# Altium PCB mainboard.PcbDoc (part 2 of 2)
Units mil, origin at the board's own origin, x right, y up, seen from the top; angles counter-clockwise.
Board outline 4724.41 x 2362.21 mil, 2 copper layers (Top Layer, Bottom Layer); 92 components, 82 nets, 574 pads, 267 vias.
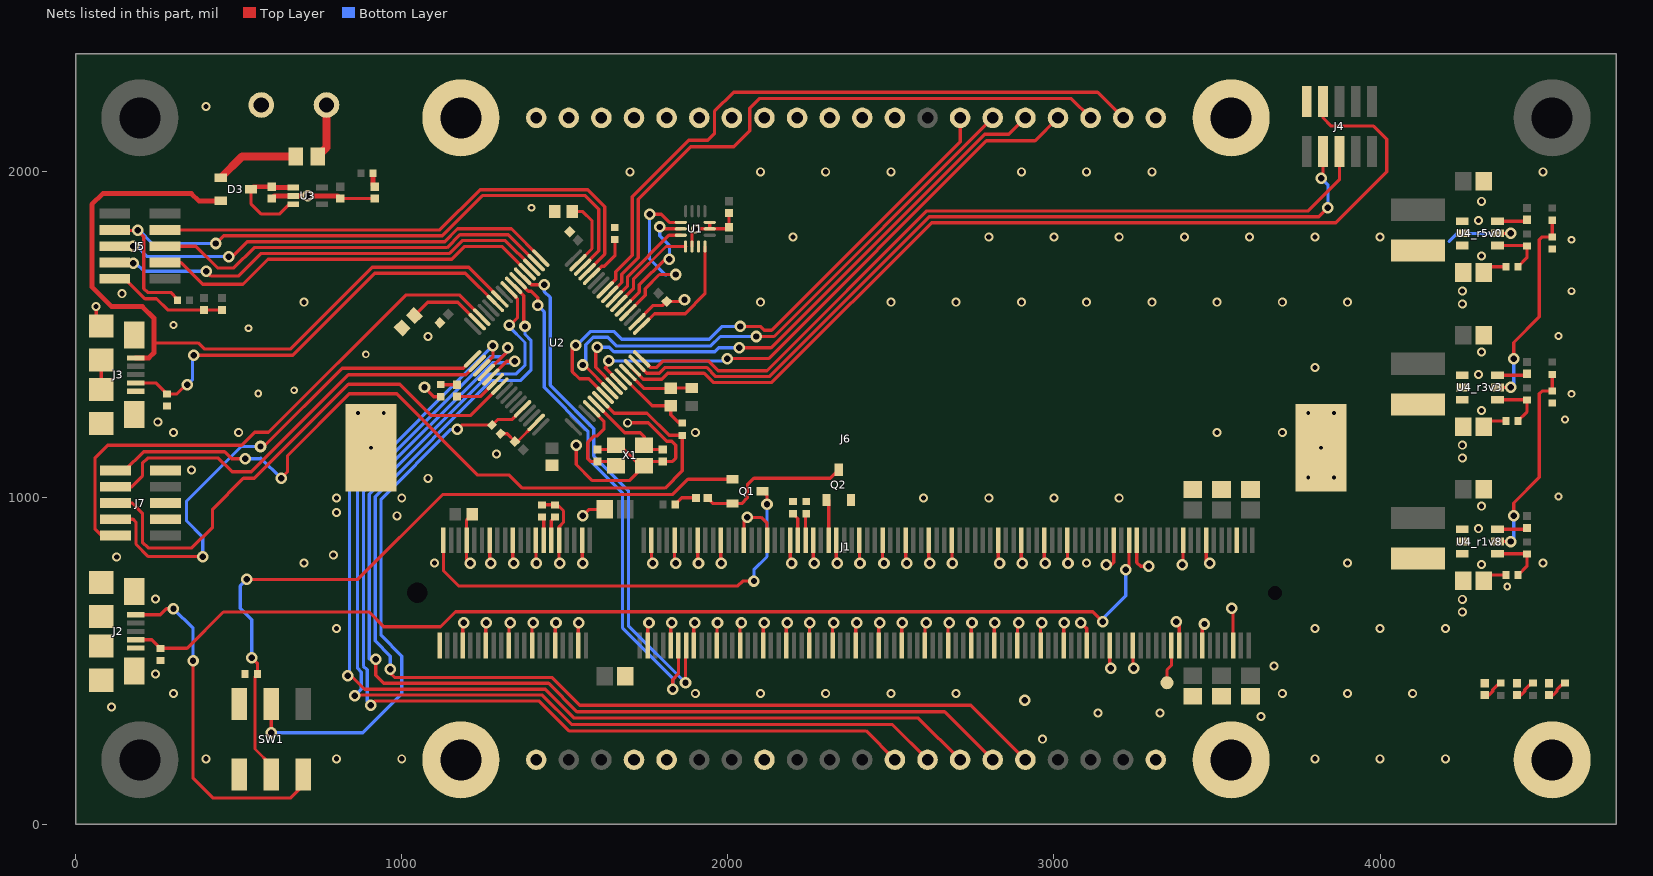
[diagram p2: the nets of this part, all layers, seen from the top]

## Via types
v1: diameter 35.43, hole 19.68, Top Layer to Bottom Layer, 147 vias
v2: diameter 27.56, hole 15.75, Top Layer to Bottom Layer, tented both sides, 63 vias
v3: diameter 27.56, hole 15.75, Top Layer to Bottom Layer, 35 vias
v4: diameter 23.62, hole 11.81, Top Layer to Bottom Layer, 21 vias
v5: diameter 27.56, hole 15.75, Top Layer to Bottom Layer, tented top, 1 vias

## Nets (pads, with @x,y where several pads share a name; then routed paths per layer and width w, separated by ;. In a path a pad name is that pad's centre, name@x,y a point inside that pad or via, vN(x,y) a via of type N, cw(c..) or ccw(c..) an arc to the next point about the centre after c; other vN are vias at no path point) (continued)
GND: C1.2 C2.2 C3.2 C4.2 C5.2 C6.2 C7.1 C8.1 C9.1 C10.1 C11.2 C12.1 C13.2 C14.1 C15.1 C16.1 C17.1 C18.1 C19.1 C20.1 C21.1 C22.1 C23.1 C25_r1v8.1 C25_r3v3.1 C25_r5v0.1 C26_r1v8.1 C26_r3v3.1 C26_r5v0.1 C27.1 C28.1 D4.2 D5.2 D6.2 D7.2 J1.1 J1.7 J1.8 J1.13 J1.14 J1.19 J1.20 J1.25 J1.26 J1.31 J1.32 J1.37 J1.38 J1.43 J1.44 J1.49 J1.50 J1.55 J1.56 J1.61 J1.62 J1.67 J1.68 J1.73 J1.74 J1.79 J1.80 J1.85 J1.86 J1.91 J1.92 J1.97 J1.98 J1.103 J1.104 J1.109 J1.110 J1.115 J1.116 J1.121 J1.122 J1.127 J1.133 J1.134 J1.139 J1.140 J1.145 J1.146 J1.151 J1.152 J1.157 J1.163 J1.164 J1.169 J1.170 J1.181 J1.182 J1.187 J1.188 J1.195 J1.196 J1.SHIELD J2.5 J2.SHIELD J3.5 J3.SHIELD J4.2 J5.2 J6.1 J6.4 J6.5 J6.8 J6.20 J6.21 J6.24 J6.25 J6.28 J6.29 J6.32 J6.40 J6.MH1 J6.MH2 J6.MH3 J6.MH4 J7.3 J7.5 J7.9 J8.2 pad.3 Q2.S R1.1 R2.1 R3.1 R4.1 R5.1 R7.2 R8.1 R10.1 R11.2 R12.1 R13.1 R18.1 R22.1 R24_r1v8.1 R24_r3v3.1 R24_r5v0.1 SW1.NC1 SW1.NC2 U1.2 U1.3 U1.6 U1.7 U2.12 U2.18 U2.63 U3.2 U4_r1v8.1 U4_r3v3.1 U4_r5v0.1 X1.SHIELD | length 7473.3
  Top Layer w10: v3(62.99,1586.61) 62.99,1543.31 J3.SHIELD@78.74,1527.56 ; J3.SHIELD@78.74,1332.68 J3.SHIELD@78.74,1423.23 ; J5.2@120.08,1671.65 151.18,1671.65 212.6,1610.24 248.03,1610.24 281.89,1576.38 C12.1@393.7,1576.38 C10.1@448.82,1576.38 ; C23.1@811.18,1917.95 811.24,1917.89 D5.2@917.32,1917.89 ; v1(1069.68,1338.74) 1098.39,1310.04 R11.2@1119.68,1310.04 ; J1.7@1187.01,547.24 1187.01,614.8 v1(1189.53,617.32) ; v1(1210,800) 1203.07,800 1198.82,804.25 J1.8@1198.82,870.08 1198.82,932.24 C9.1@1216.57,950 ; J1.13@1257.87,547.24 1257.87,615.67 v1(1259.53,617.32) ; J1.14@1269.69,870.08 1269.69,803.39 v1(1273.07,800) ; R12.1@1303.22,1196.78 1323.22,1196.78 C19.1@1347.19,1172.81 1354.86,1172.81 1411.25,1229.19 1411.25,1231.4 U2.63@1412.35,1231.4 ; J1.19@1328.74,547.24 1328.74,613.07 v1(1332.99,617.32) ; J1.20@1340.55,870.08 1340.55,802.52 v1(1343.07,800) ; J1.25@1399.61,547.24 1399.61,613.94 v1(1402.99,617.32) ; J1.26@1411.42,870.08 1411.42,801.65 v1(1413.07,800) ; R3.1@1430,978.7 R4.1@1470,978.7 1477.3,978.7 1496,960 1496,924.82 1482.28,911.1 J1.32@1482.28,870.08 1482.28,802.52 v1(1484.8,800) ; J1.31@1470.47,547.24 1470.47,614.8 v1(1472.99,617.32) ; v1(1535.43,1161.42) 1535.43,1102.36 1584.65,1053.15 1697.95,1053.15 X1.SHIELD@1743.31,1098.5 ; J1.37@1541.34,547.24 1541.34,615.67 v1(1542.99,617.32) ; J1.38@1553.15,870.08 1553.15,801.65 v1(1554.8,800) ; v1(1555.12,944.88) 1574.8,964.57 C5.2@1622.05,964.57 ; C28.1@1600,1148.11 1643.31,1148.11 X1.SHIELD@1656.69,1161.5 1668.5,1161.5 1731.5,1098.5 X1.SHIELD@1743.31,1098.5 ; U2.12@1679.6,1370.59 1767.71,1282.48 C17.1@1824.76,1282.48 1824.76,1254.96 R13.1@1850.39,1229.33 ; v3(1692.91,1230.32) 1756.04,1230.32 1812.43,1173.93 1828.04,1173.93 1840.55,1161.42 1840.55,1122.05 1830.39,1111.89 C27.1@1800,1111.89 1756.69,1111.89 X1.SHIELD@1743.31,1098.5 ; U2.18@1721.36,1540.41 1770.95,1590 1800.61,1590 C18.1@1812.81,1602.19 1862.19,1602.19 v1(1867,1607) ; J1.43@1753.94,547.24 1753.94,613.07 v1(1758.19,617.32) ; J1.44@1765.75,870.08 1765.75,804.25 v1(1770,800) ; J1.49@1824.8,547.24 1824.8,613.94 v1(1828.19,617.32) ; J1.50@1836.61,870.08 1836.61,803.39 v1(1840,800) ; U1.2@1890.16,1770.87 1890.16,1815.16 v5(1900,1825) U1.6@1944.29,1825 ; J1.55@1895.67,547.24 1895.67,614.8 v1(1898.19,617.32) ; J1.56@1907.48,870.08 1907.48,802.52 v1(1910,800) ; U1.7@1944.29,1844.68 U1.6@1944.29,1825 ; J1.61@1966.53,547.24 1966.53,615.67 v1(1968.19,617.32) ; J1.62@1978.35,870.08 1978.35,801.65 v1(1980,800) ; C13.2@2003.54,1873.43 C11.2@2003.54,1829.65 1998.9,1825 U1.6@1944.29,1825 ; J1.67@2037.4,547.24 2037.4,613.07 v1(2041.65,617.32) ; J1.68@2049.21,870.08 2049.21,929.21 v1(2060,940) 2101.75,940 2120.08,921.67 J1.74@2120.08,870.08 ; J1.73@2108.27,547.24 2108.27,613.94 v1(2111.65,617.32) ; J1.79@2179.13,547.24 2179.13,614.8 v1(2181.65,617.32) ; J1.80@2190.94,870.08 2190.94,804.25 v1(2195.2,800) ; J1.85@2250,547.24 2250,615.67 v1(2251.65,617.32) ; J1.86@2261.81,870.08 2261.81,803.39 v1(2265.2,800) ; J1.91@2320.86,547.24 2320.86,613.07 v1(2325.12,617.32) ; J1.92@2332.68,870.08 2332.68,802.52 v1(2335.2,800) ; J1.97@2391.73,547.24 2391.73,613.94 v1(2395.12,617.32) ; J1.98@2403.54,870.08 2403.54,801.65 v1(2405.2,800) ; J1.103@2462.6,547.24 2462.6,614.8 v1(2465.12,617.32) ; J1.104@2474.41,870.08 2474.41,804.25 v1(2478.66,800) ; J1.109@2533.46,547.24 2533.46,615.67 v1(2535.12,617.32) ; J1.110@2545.27,870.08 2545.27,803.39 v1(2548.66,800) ; J1.115@2604.33,547.24 2604.33,613.07 v1(2608.58,617.32) ; J1.116@2616.14,870.08 2616.14,802.52 v1(2618.66,800) ; J1.121@2675.19,547.24 2675.19,613.94 v1(2678.58,617.32) ; J1.122@2687.01,870.08 2687.01,801.65 v1(2688.66,800) ; J1.127@2746.06,547.24 2746.06,614.8 v1(2748.58,617.32) ; J1.133@2816.93,547.24 2816.93,615.67 v1(2818.58,617.32) ; J1.134@2828.74,870.08 2828.74,804.25 v1(2832.99,800) ; J1.139@2887.79,547.24 2887.79,613.07 v1(2892.04,617.32) ; J1.140@2899.6,870.08 2899.6,803.39 v1(2902.99,800) ; J1.145@2958.66,547.24 2958.66,613.94 v1(2962.04,617.32) ; J1.146@2970.47,870.08 2970.47,802.52 v1(2972.99,800) ; J1.151@3029.52,547.24 3029.52,614.8 v1(3032.04,617.32) ; J1.152@3041.34,870.08 3041.34,801.65 v1(3042.99,800) ; v1(3081.73,617.32) 3099.06,600 3100.39,600 J1.157@3100.39,547.24 ; v1(3160.28,795) 3175.55,795 3183.07,802.52 J1.164@3183.07,870.08 ; J1.163@3171.26,547.24 3171.26,480.55 v1(3174.64,477.17) ; J1.169@3242.12,547.24 3242.12,479.69 v1(3244.64,477.17) ; J1.170@3253.93,870.08 3253.93,801.65 3265.59,790 v1(3290,790) ; v1(3375,620) 3378.66,620 3383.85,614.8 J1.181@3383.85,547.24 ; v1(3393.19,795) 3395.67,797.48 J1.182@3395.67,870.08 ; J1.187@3454.72,547.24 3454.72,615.67 3457.11,613.28 v1(3461.37,613.28) ; J1.188@3466.53,870.08 3466.53,801.65 3469.88,805 3474.88,800 v1(3478.19,800) ; v1(3545,661.58) 3549.21,665.79 J1.195@3549.21,547.24 ; C25_r1v8.1@4317.6,746.14 4334.9,763.44 R24_r1v8.1@4385.4,763.44 ; C25_r3v3.1@4317.6,1218.58 4334.9,1235.88 R24_r3v3.1@4385.4,1235.88 ; C25_r5v0.1@4317.6,1691.02 4334.9,1708.32 R24_r5v0.1@4385.4,1708.32
  Top Layer w15: C22.1@601.18,1917.95 609.29,1926.06 U3.2@666.89,1926.06 v1(711.18,1926.06) 803.07,1926.06 C23.1@811.18,1917.95
  other v1: 2910,380
  other v2: 400,200 800,200 1000,200 3800,200 4000,200 4200,200 300,400 1900,400 2100,400 2300,400 2500,400 2700,400 3700,400 3900,400 4100,400 800,600 3800,600 4000,600 4200,600 700,800 1100,800 3100,800 3900,800 4500,800 800,1000 1000,1000 2600,1000 2800,1000 3000,1000 3200,1000 300,1200 500,1200 1900,1200 3500,1200 3700,1200 3800,1400 700,1600 2100,1600 2500,1600 2700,1600 2900,1600 3100,1600 3300,1600 3500,1600 3700,1600 3900,1600 2200,1800 2800,1800 3000,1800 3200,1800 3400,1800 3600,1800 3800,1800 4000,1800 1700,2000 2100,2000 2300,2000 2500,2000 2900,2000 3100,2000 3300,2000 4500,2000 400,2200
  other v3: 2965,260 3635,330 3135,340 3325,340 110.24,358.27 245,460 3675,485 245,690 4311.02,795.28 125.98,818.9 790,825 4301.18,905.51 985,945 800,955 4311.02,974.41 1080,1060 355,1085 1290,1135 251.97,1232.28 4311.02,1267.72 4301.18,1377.95 4311.02,1446.85 1080,1495 141.73,1625.98 4311.02,1742.13 4301.18,1850.39 4311.02,1909.45
  other v4: 4389.76,728.35 4547.24,1003.94 3779.53,1062.99 3858.27,1062.99 905.51,1153.54 3818.9,1153.54 4566.93,1240.16 866.14,1259.84 944.88,1259.84 3779.53,1259.84 3858.27,1259.84 4586.61,1318.9 560,1320 670,1330 890,1440 4547.24,1496.06 530,1520 300,1530 4586.61,1633.86 4586.61,1791.34 1397.64,1889.76
IMU_INT: U1.4 U2.17 | length 380.6
  Top Layer w10: U2.17@1735.28,1526.49 1736.49,1526.49 1775,1565 1869,1565 1929.53,1625.53 U1.4@1929.53,1770.87
IMU_MISO: U1.1 U2.22 | length 294.9
  Top Layer w10: U2.22@1665.68,1596.09 1710.38,1640.78 1710.38,1671.01 1810.24,1770.87 U1.1@1870.47,1770.87
IMU_MOSI: U1.14 U2.23 | length 301.2
  Top Layer w10: U2.23@1651.76,1610 1692.38,1650.62 1692.38,1678.46 1819.23,1805.31 U1.14@1855.71,1805.31
IMU_nCS: U1.12 U2.20 | length 551.7
  Top Layer w10: U2.20@1693.52,1568.25 1746.38,1621.1 1746.38,1641.38 1790,1685 v1(1840,1685) ; v1(1760,1870) 1795.49,1870 1820.8,1844.68 U1.12@1855.71,1844.68
  Bottom Layer w10: v1(1760,1870) 1760,1732.46 1809.39,1683.07 1811.32,1685 v1(1840,1685)
IMU_SCK: U1.13 U2.21 | length 416.7
  Top Layer w10: U2.21@1679.6,1582.17 1728.38,1630.94 1728.38,1653.38 1807.28,1732.28 v1(1820.86,1732.28) ; v1(1791.34,1830.71) 1785.71,1830.71 1780,1825 U1.13@1855.71,1825
  Bottom Layer w10: v1(1791.34,1830.71) 1791.34,1803.66 1820.86,1774.14 v1(1820.86,1732.28)
IO0: J6.34 U2.8 | length 1756.5
  Top Layer w10: v1(1533.57,1468.22) 1522.71,1457.36 1522.71,1387.29 1545,1365 1573.84,1365 U2.8@1623.92,1314.91 ; v1(2037.4,1525.59) 2099.41,1525.59 2110.94,1514.06 2134.06,1514.06 2712.2,2092.2 J6.34@2712.2,2165.35
  Bottom Layer w10: v1(1533.57,1468.22) 1537.12,1468.22 1579.32,1510.42 1650.73,1510.42 1674.93,1486.22 1943.05,1486.22 1982.42,1525.59 v1(2037.4,1525.59)
IO1: J6.35 U2.9 | length 1739.6
  Top Layer w10: v1(1555.12,1407.48) 1559.2,1407.48 U2.9@1637.84,1328.83 ; v1(2086.46,1494.87) 2141.72,1494.87 J6.35@2812.2,2165.35
  Bottom Layer w10: v1(1555.12,1407.48) 1564.28,1416.65 1564.28,1469.93 1586.78,1492.42 1631.48,1492.42 1658.07,1465.83 1948.11,1465.83 1977.16,1494.87 v1(2086.46,1494.87)
IO2: J6.36 U2.10 | length 1760.4
  Top Layer w10: v1(1599.5,1461.7) 1594.49,1456.69 1594.49,1400.03 U2.10@1651.76,1342.75 ; v1(2035,1460) 2132.31,1460 2787.31,2115 2861.85,2115 J6.36@2912.2,2165.35
  Bottom Layer w10: v1(1599.5,1461.7) 1636.74,1461.7 1650.61,1447.83 1959.64,1447.83 1971.81,1460 v1(2035,1460)
IO3: J6.37 U2.11 | length 1771.1
  Top Layer w10: v1(1635,1420) 1635,1409.32 1624.02,1398.34 U2.11@1665.68,1356.67 ; v1(1998.03,1427.17) 2124.93,1427.17 2792.76,2095 2941.85,2095 J6.37@3012.2,2165.35
  Bottom Layer w10: v1(1635,1420) 1990.87,1420 v1(1998.03,1427.17)
IO4: J6.38 U2.24 | length 1908
  Top Layer w10: U2.24@1637.84,1623.92 1674.38,1660.46 1674.38,1685.92 1725,1736.54 1725,1916.08 1885.69,2076.77 2017.72,2076.77 2066.93,2125.98 2066.93,2194.88 2096.46,2224.41 3053.15,2224.41 J6.38@3112.2,2165.35
IO5: J6.39 U2.25 | length 2031.1
  Top Layer w10: U2.25@1623.92,1637.84 1656.38,1670.3 1656.38,1693.37 1707,1744 1707,1923.54 1879.92,2096.46 1938.98,2096.46 1958.66,2116.14 1958.66,2185.04 2017.72,2244.09 3133.46,2244.09 J6.39@3212.2,2165.35
NetC14_2: C14.2 U2.47 | length 234.4
  Top Layer w10: C14.2@1038.79,1558.79 1080,1600 1171.8,1600 U2.47@1231.4,1540.41
NetC15_2: C15.2 U2.31 | length 218.6
  Top Layer w10: C15.2@1522.64,1877.95 1555.12,1877.95 1583.41,1849.66 1583.41,1764.36 U2.31@1540.41,1721.36
NetC17_2: C17.2 FB1.2 U2.13 | length 217
  Top Layer w10: U2.13@1693.52,1384.51 1742.4,1335.63 C17.2@1824.76,1335.63 1825.95,1336.81 FB1.2@1889.76,1336.81
NetC22_2: C22.2 D3.C U3.1 U3.3 | length 332.8
  Top Layer w10: D3.C@545.55,1954.17 D3.C@537.44,1946.06 537.44,1902.45 569.69,1870.2 624.46,1870.2 654.72,1900.47 U3.3@666.89,1900.47 ; C22.2@601.18,1954.17 C22.2@603.7,1951.65
  Top Layer w15: D3.C@545.55,1954.17 C22.2@601.18,1954.17 ; C22.2@603.7,1951.65 U3.1@666.89,1951.65
NetC24_r1v8_1: C24_r1v8.1 U4_r1v8.6 | length 91.7
  Top Layer w10: U4_r1v8.6@4360.24,903.54 4445.61,903.54 C24_r1v8.1@4450.1,908.03
NetC24_r3v3_1: C24_r3v3.1 U4_r3v3.6 | length 91.7
  Top Layer w10: U4_r3v3.6@4360.24,1375.98 4445.61,1375.98 C24_r3v3.1@4450.1,1380.47
NetC24_r5v0_1: C24_r5v0.1 U4_r5v0.6 | length 91.7
  Top Layer w10: U4_r5v0.6@4360.24,1848.43 4445.61,1848.43 C24_r5v0.1@4450.1,1852.91
NetC27_2: C27.2 U2.6 X1.1 | length 276.8
  Top Layer w10: U2.6@1596.09,1287.07 1683.16,1200 1731.02,1200 1743.31,1187.72 X1.1@1743.31,1161.5 1756.69,1148.11 C27.2@1800,1148.11
NetC28_2: C28.2 U2.5 X1.2 | length 291
  Top Layer w10: U2.5@1582.17,1273.15 1620,1235.32 1620,1210 1600,1190 1590,1190 1570,1170 1570,1120 1578.11,1111.89 C28.2@1600,1111.89 1643.31,1111.89 X1.2@1656.69,1098.5
NetD1_A: D1.1 R6.1 | length 71.5
  Top Layer w10: R6.1@1838.7,980 1858.7,1000 D1.1@1901.89,1000
NetD1_C: D1.2 Q1.S Q2.D | length 475.3
  Top Layer w10: D1.2@1938.11,1000 1955.51,982.6 Q1.S@2013.74,982.6 2042.28,982.6 2060,1000.32 2060,1040 2080,1060 2313.74,1060 Q2.D@2340,1086.26
NetD2_A: D2.1 U2.54 | length 136.5
  Top Layer w10: D2.1@1169.68,1310.63 1241.03,1310.63 U2.54@1287.07,1356.67
NetD2_C: D2.2 R11.1 | length 50.2
  Top Layer w10: R11.1@1119.68,1347.44 1120.28,1346.85 D2.2@1169.68,1346.85
NetD4_A: D4.1 R14.2 | length 67.4
  Top Layer w10: D4.1@4320.87,395.28 4333.27,395.28 4345.27,407.28 4345.27,412.32 4365.04,432.09 R14.2@4370.08,432.09
NetD5_A: D5.1 R15.2 | length 43.1
  Top Layer w15: R15.2@912.02,1995 912.02,1959.41 D5.1@917.32,1954.11
NetD6_A: D6.1 R16.2 | length 67.4
  Top Layer w10: D6.1@4419.29,395.28 4431.69,395.28 4443.69,407.28 4443.69,412.32 4463.46,432.09 R16.2@4468.5,432.09
NetD7_A: D7.1 R20.2 | length 67.4
  Top Layer w10: D7.1@4517.72,395.28 4530.12,395.28 4542.12,407.28 4542.12,412.32 4561.89,432.09 R20.2@4566.93,432.09
NetJ1_2: J1.2 Q1.D | length 1368.7
  Top Layer w10: J1.2@1127.95,870.08 1127.95,775.98 1173.94,730 2030,730 2045,745 v1(2080,745) ; Q1.D@2106.26,1020 2120,1006.26 v1(2120,980)
  Bottom Layer w10: v1(2080,745) 2080,780 2120,820 v1(2120,980)
NetJ1_28: J1.28 R3.2 | length 73.3
  Top Layer w10: R3.2@1430,941.3 1435.04,936.26 J1.28@1435.04,870.08
NetJ1_30: J1.30 R4.2 | length 75.9
  Top Layer w10: J1.30@1458.66,870.08 1458.66,929.96 R4.2@1470,941.3
NetJ1_82: J1.82 R1.2 | length 87.3
  Top Layer w10: R1.2@2200,951.3 2214.57,936.73 J1.82@2214.57,870.08
NetJ1_84: J1.84 R2.2 | length 82
  Top Layer w10: J1.84@2238.19,870.08 2238.19,949.49 R2.2@2240,951.3
NetJ1_90: J1.90 Q2.G | length 122.6
  Top Layer w10: J1.90@2309.05,870.08 Q2.G@2309.05,992.72
NetJ1_168: J1.168 J2.4 R5.2 | length 3356.9
  Top Layer w10: J2.4@184.06,564.96 233.74,564.96 R5.2@260,538.7 341.85,538.7 453.15,650 900,650 945,605 1118.74,605 1164.81,651.07 3118.93,651.07 v1(3150,620) ; v1(3220.16,780.16) 3230.31,790.31 J1.168@3230.31,870.08
  Bottom Layer w10: v1(3150,620) 3150,630 3220.16,700.16 v1(3220.16,780.16)
NetJ1_179: J1.179 TP1.1 | length 119.9
  Top Layer w10: TP1.1@3346.46,433.07 3346.46,472.44 3360.23,486.22 J1.179@3360.23,547.24
NetJ3_4: J3.4 R8.2 U2.43 | length 1359.5
  Top Layer w10: J3.4@184.06,1352.36 246.34,1352.36 R8.2@280,1318.7 310.83,1318.7 338.58,1346.46 v1(342.52,1346.46) ; v1(362.2,1437.01) 665.35,1437.01 917.32,1688.98 1195.28,1688.98 1285.97,1598.29 1285.97,1596.09 U2.43@1287.07,1596.09
  Bottom Layer w10: v1(342.52,1346.46) 358.27,1362.2 358.27,1440.94 v1(362.2,1437.01)
NetJ4_3: J4.3 U2.15 | length 2548.8
  Top Layer w10: U2.15@1721.36,1412.35 1733.71,1400 1734.81,1400 1734.81,1397.8 1750.61,1382 1789.89,1382 1807.89,1400 1934.54,1400 1962.54,1372 2127.46,1372 2617.46,1862 3812,1862 v1(3840,1890) ; v1(3820,1980) 3825.21,1985.21 J4.3@3825.21,2062.28
  Bottom Layer w10: v1(3820,1980) 3840,1960 v1(3840,1890)
NetJ4_4: J4.4 U2.14 | length 2987.4
  Top Layer w10: U2.14@1707.44,1398.43 1708.54,1398.43 1708.54,1396.22 1740.77,1364 1797.35,1364 1815.35,1382 1927.09,1382 1955.09,1354 2134.91,1354 2624.91,1844 3864,1844 4020,2000 4020,2100 3980,2140 3850,2140 3825.21,2164.79 J4.4@3825.21,2215.82
NetJ4_5: J4.5 U2.16 | length 2501
  Top Layer w10: U2.16@1735.28,1426.27 1761.55,1400 1782.44,1400 1802.44,1420 1940,1420 1970,1390 2120,1390 2610,1880 3780,1880 3875.21,1975.21 J4.5@3875.21,2062.28
NetJ7_2: J7.2 U2.46 | length 1709.7
  Top Layer w10: J7.2@122.05,884.25 80.31,884.25 59.06,905.51 59.06,1122.05 98.43,1161.42 508.68,1161.42 548.72,1201.45 591.45,1201.45 1012,1622 1177.64,1622 U2.46@1245.32,1554.33
NetJ7_4: J7.4 U2.49 | length 1603.4
  Top Layer w10: J7.4@122.05,934.25 175.98,934.25 185.04,925.2 185.04,858.27 223.31,820 v1(390,820) ; v1(566.93,1157.48) 577.48,1157.48 817.64,1397.64 1188.85,1397.64 U2.49@1217.48,1426.27
  Bottom Layer w10: v1(390,820) 390,879.34 340,929.34 340,990 507.48,1157.48 v1(566.93,1157.48)
NetJ7_6: J7.6 U2.55 | length 1605.6
  Top Layer w10: J7.6@122.05,984.25 173.23,984.25 204.72,952.76 204.72,864.04 222.31,846.46 356.46,846.46 420,910 420,965.41 514.59,1060 548.19,1060 836.61,1348.43 994.09,1348.43 1090.13,1252.39 1210.63,1252.39 U2.55@1300.99,1342.75
NetJ7_8: J7.8 U2.50 | length 1323.9
  Top Layer w10: J7.8@122.05,1034.25 172.05,1034.25 204.72,1066.93 204.72,1106.3 220.47,1122.05 437.95,1122.05 480,1080 538.66,1080 836.61,1377.95 1197,1377.95 U2.50@1231.4,1412.35
NetJ7_10: J7.10 R13.2 U2.7 | length 2480.2
  Top Layer w10: J7.10@122.05,1084.25 151.18,1084.25 208.66,1141.73 456.69,1141.73 478.43,1120 v1(520,1120) ; v1(630,1060) 649.61,1079.61 649.61,1129.61 838.9,1318.9 984.25,1318.9 1233.15,1070 1330,1070 1370,1030 1807.56,1030 1860.24,1082.68 R13.2@1860.24,1191.93 1819.88,1191.93 1751.97,1259.84 1651.16,1259.84 U2.7@1610,1300.99
  Bottom Layer w10: v1(520,1120) 565.91,1120 567.95,1122.05 v1(630,1060)
NetL1_r1v8_1: L1_r1v8.1 U4_r1v8.2
NetL1_r3v3_1: L1_r3v3.1 U4_r3v3.2
NetL1_r5v0_1: L1_r5v0.1 U4_r5v0.2
NetQ1_G: Q1.G R7.1 SW1.COM2 | length 2268.1
  Top Layer w10: v1(525,750) 865,750 1125,1010 1830,1010 1877.4,1057.4 Q1.G@2013.74,1057.4 ; v1(540,510) 557.4,492.6 R7.1@557.4,460 550,452.6 550,230 600,180 SW1.COM2@600,151.73
  Bottom Layer w10: v1(525,750) 505,730 505,661.26 540,626.26 v1(540,510)
NetR10_2: R10.2 U2.28 | length 147.5
  Top Layer w10: U2.28@1582.17,1679.6 1612.56,1710 1621.42,1710 1647.49,1736.07 1653.54,1742.13 R10.2@1653.54,1792.32
NetR12_2: R12.2 SW1.COM1 U2.60 | length 1709.3
  Top Layer w10: v1(600,280) SW1.COM1@600,368.27 ; v1(1170,1210) 1183.22,1223.22 R12.2@1276.78,1223.22 1293.55,1240 1337.44,1240 U2.60@1370.59,1273.15
  Bottom Layer w10: v1(600,280) 880,280 1000,400 1000,515 936.46,578.54 936.46,996.19 1150.27,1210 v1(1170,1210)
NetR17_2: R17.2 R18.2 U4_r3v3.5 | length 623.3
  Top Layer w10: U4_r3v3.5@4360.24,1338.58 v1(4400.1,1338.58) ; v1(4409.45,1427.17) 4409.45,1476.38 4488.19,1555.12 4488.19,1791.34 4497.05,1800.2 R18.2@4527.56,1800.2 R17.2@4527.56,1851.38
  Bottom Layer w10: v1(4400.1,1338.58) 4409.45,1347.93 v1(4409.45,1427.17)
NetR21_2: R21.2 R22.2 U4_r1v8.5 | length 623.3
  Top Layer w10: U4_r1v8.5@4360.24,866.14 v1(4400.1,866.14) ; v1(4409.45,944.88) 4409.45,984.25 4488.19,1062.99 4488.19,1318.9 4497.05,1327.76 R22.2@4527.56,1327.76 R21.2@4527.56,1378.94
  Bottom Layer w10: v1(4400.1,866.14) 4409.45,875.49 v1(4409.45,944.88)
NetR23_r1v8_1: R23_r1v8.1 R24_r1v8.2 U4_r1v8.4 | length 165.7
  Top Layer w10: U4_r1v8.4@4360.24,828.74 4448.8,828.74 R23_r1v8.1@4450.1,827.44 4450.1,790.74 R24_r1v8.2@4422.8,763.44
NetR23_r3v3_1: R23_r3v3.1 R24_r3v3.2 U4_r3v3.4 | length 165.7
  Top Layer w10: U4_r3v3.4@4360.24,1301.18 4448.8,1301.18 R23_r3v3.1@4450.1,1299.88 4450.1,1263.18 R24_r3v3.2@4422.8,1235.88
NetR23_r5v0_1: R23_r5v0.1 R24_r5v0.2 U4_r5v0.4 | length 165.7
  Top Layer w10: U4_r5v0.4@4360.24,1773.62 4448.8,1773.62 R23_r5v0.1@4450.1,1772.32 4450.1,1735.62 R24_r5v0.2@4422.8,1708.32
RXD0: J1.53 U2.37 | length 1592.1
  Top Layer w10: U2.37@1370.59,1679.6 1396.65,1653.54 v1(1437.01,1653.54) ; v1(1870.08,433.07) 1870.08,545.28 J1.53@1872.05,547.24
  Bottom Layer w10: v1(1437.01,1653.54) 1437.01,1632.5 1455,1614.51 1455,1346.05 1588.86,1212.18 1588.86,1128.32 1695,1022.18 1695,608.15 v1(1870.08,433.07)
SENS_INT: J5.8 R9.1 U2.30 | length 2083.9
  Top Layer w10: J5.8@120.08,1821.65 121.73,1820 v1(190,1820) 208.66,1801.34 208.66,1641.73 220.47,1629.92 291.34,1629.92 312.01,1609.25 R9.1@312.01,1606.3 ; v1(430,1780) 453.65,1803.65 1124.11,1803.65 1247.46,1927 1562.54,1927 1604.33,1885.21 1604.33,1757.44 U2.30@1554.33,1707.44
  Bottom Layer w10: v1(190,1820) 195,1820 235,1780 v1(430,1780)
SENS_MISO: J5.4 U2.35 | length 1375.8
  Top Layer w10: J5.4@120.08,1721.65 121.73,1720 v1(177.17,1720) ; v1(400,1695) 415,1680 498.9,1680 568.55,1749.65 1146.48,1749.65 1185.82,1789 1317.97,1789 1397.33,1709.65 1397.33,1707.44 U2.35@1398.43,1707.44
  Bottom Layer w10: v1(177.17,1720) 185,1720 210,1695 v1(400,1695)
SENS_MOSI: J5.3 U2.36 | length 1218.6
  Top Layer w10: J5.3@273.62,1721.65 323.35,1721.65 390,1655 513.27,1655 589.92,1731.65 1153.93,1731.65 1193.28,1771 1307.03,1771 U2.36@1384.51,1693.52
SENS_nCS: J5.6 U2.33 | length 1391.7
  Top Layer w10: J5.6@120.08,1771.65 v1(177.17,1771.65) ; v1(470,1740) 480.16,1740 525.81,1785.65 1131.57,1785.65 1170.91,1825 1336.55,1825 U2.33@1426.27,1735.28
  Bottom Layer w10: v1(177.17,1771.65) 188.35,1771.65 220,1740 v1(470,1740)
SENS_RST: J5.7 U2.29 | length 1643
  Top Layer w10: J5.7@273.62,1821.65 1116.65,1821.65 1240,1945 1570,1945 1622.33,1892.67 1622.33,1747.61 U2.29@1568.25,1693.52
SENS_SCK: J5.5 U2.34 | length 1244.1
  Top Layer w10: J5.5@273.62,1771.65 368.35,1771.65 435,1705 484.53,1705 547.18,1767.65 1139.02,1767.65 1178.37,1807 1326.71,1807 U2.34@1412.35,1721.36
SHD_INT: J6.16 U2.39 | length 3538.6
  Top Layer w10: v1(965,475) 965,462.17 977.77,449.39 1460.06,449.39 1545.28,364.17 2744.88,364.17 J6.16@2912.2,196.85 ; U2.39@1342.75,1651.76 1374.28,1620.23 1374.28,1529.26 v1(1377.95,1525.59)
  Bottom Layer w10: v1(965,475) 965,515 918.46,561.54 918.46,1003.64 1274.82,1360 1365,1360 1395.95,1390.95 1395.95,1483.83 1377.95,1501.83 v1(1377.95,1525.59)
SHD_MISO: J6.13 U2.52 | length 3232.8
  Top Layer w10: v1(856.3,393.7) 857.99,395.39 1430.54,395.39 1520.81,305.12 2503.94,305.12 J6.13@2612.2,196.85 ; U2.52@1259.23,1384.51 1325,1450.27 v1(1325,1460)
  Bottom Layer w10: v1(856.3,393.7) 875.98,413.39 875.98,465.38 864.46,476.91 864.46,1026.01 1271.09,1432.64 1307.37,1432.64 1325,1450.27 v1(1325,1460)
SHD_MOSI: J6.12 U2.53 | length 3076.7
  Top Layer w10: v1(905.51,364.17) 918.73,377.39 1420.7,377.39 1512.66,285.43 2423.62,285.43 J6.12@2512.2,196.85 ; U2.53@1273.15,1370.59 1321.28,1418.71 v1(1347.03,1418.71)
  Bottom Layer w10: v1(905.51,364.17) 893.98,375.7 893.98,472.84 882.46,484.37 882.46,1018.55 1278.55,1414.64 1345.74,1414.64 1347.03,1415.93 v1(1347.03,1418.71)
SHD_nCS: J6.15 U2.40 | length 3488.2
  Top Layer w10: v1(920,505) 920,456.39 945,431.39 1450.22,431.39 1537.12,344.49 2664.57,344.49 J6.15@2812.2,196.85 ; U2.40@1328.83,1637.84 1328.83,1636.74 1354.7,1610.88 1354.7,1551.55 1333.15,1530 v1(1330,1530)
  Bottom Layer w10: v1(920,505) 902.48,505 900.46,507.02 900.46,1011.1 1269.36,1380 1351.76,1380 1377.95,1406.19 1377.95,1476.38 1330,1524.33 v1(1330,1530)
SHD_SCK: J6.14 U2.51 | length 3269
  Top Layer w10: v1(835,455) 835.27,455 839.74,459.47 885.82,413.39 1440.38,413.39 1528.97,324.8 2584.25,324.8 J6.14@2712.2,196.85 ; U2.51@1245.32,1398.43 1279.53,1432.64 v1(1279.53,1466.54)
  Bottom Layer w10: v1(835,455) 832.69,455 840,462.31 840,1027.01 v1(1279.53,1466.54)
TXD0: J1.51 U2.38 | length 1595.2
  Top Layer w10: U2.38@1356.67,1665.68 1388.49,1633.86 1397.63,1633.86 1417.32,1614.17 v1(1417.32,1590) ; v1(1830.71,413.39) 1830.71,442.91 1848.42,460.63 J1.51@1848.42,547.24
  Bottom Layer w10: v1(1417.32,1590) 1437,1570.32 1437,1338.59 1570.86,1204.73 1570.86,1120.86 1677,1014.72 1677,600.69 1830.71,446.99 v1(1830.71,413.39)
USB_RASPI: J2.1 SW1.NO2 | length 1080.9
  Top Layer w10: J2.1@184.06,641.73 260,641.73 278.27,660 v1(300,660) ; v1(360,500) 360,140 420,80 660,80 698.43,118.43 SW1.NO2@698.43,151.73
  Bottom Layer w10: v1(300,660) 360,600 v1(360,500)
USB_VBUS: D3.A2 J3.1 U2.42 | length 2283.4
  Top Layer w10: 240.16,1475 375.39,1475 393.7,1456.69 659.58,1456.69 909.87,1706.98 1205.12,1706.98 1299.89,1612.21 1299.89,1610 U2.42@1300.99,1610
  Top Layer w15: J3.1@184.06,1429.13 224.51,1429.13 240.16,1444.78 240.16,1475 240.16,1551.18 204.72,1586.61 110.24,1586.61 50,1646.85 50,1900 83.07,1933.07 354.93,1933.07 377.37,1910.63 D3.A2@444.92,1910.63
VBAT: C25_r1v8.2 C25_r3v3.2 C25_r5v0.2 J6.22 J6.23 J6.26 J6.27 J6.30 J6.31 J8.1 R19.1 U4_r1v8.3 U4_r3v3.3 U4_r5v0.3 U4_r5v0.5 | length 407.2
  Top Layer w10: U4_r5v0.5@4360.24,1811.02 v1(4400.1,1811.02)
  Top Layer w25: R19.1@742.13,2047.24 769.29,2074.41 J8.1@769.29,2204.72
  Bottom Layer w10: 4211.76,1786.36 4236.43,1811.02 v1(4400.1,1811.02)
  other v3: 4251.97,649.61 4251.97,688.98 4251.97,1122.05 4251.97,1161.42 4251.97,1594.49 4251.97,1633.86
VIN: D3.A1 R19.2 | length 257.5
  Top Layer w25: D3.A1@444.92,1981.5 510.67,2047.24 R19.2@675.2,2047.24
pads on no net: J1.3 J1.5 J1.9 J1.10 J1.11 J1.12 J1.15 J1.16 J1.17 J1.18 J1.21 J1.22 J1.23 J1.24 J1.27 J1.29 J1.33 J1.34 J1.35 J1.36 J1.45 J1.46 J1.47 J1.48 J1.52 J1.54 J1.57 J1.58 J1.59 J1.60 J1.63 J1.64 J1.65 J1.66 J1.69 J1.70 J1.71 J1.72 J1.75 J1.76 J1.77 J1.78 J1.81 J1.83 J1.87 J1.88 J1.89 J1.93 J1.94 J1.95 J1.96 J1.99 J1.100 J1.101 J1.102 J1.105 J1.106 J1.107 J1.108 J1.111 J1.112 J1.113 J1.114 J1.117 J1.118 J1.119 J1.120 J1.123 J1.124 J1.125 J1.126 J1.128 J1.129 J1.130 J1.131 J1.132 J1.135 J1.136 J1.137 J1.138 J1.141 J1.142 J1.143 J1.144 J1.147 J1.148 J1.149 J1.150 J1.153 J1.154 J1.155 J1.156 J1.158 J1.159 J1.160 J1.161 J1.162 J1.166 J1.171 J1.172 J1.173 J1.174 J1.175 J1.176 J1.177 J1.178 J1.180 J1.MH J4.6 J4.7 J4.8 J4.9 J4.10 J5.9 J5.10 J6.9 J6.10 J6.11 J6.17 J6.18 J6.19 J6.33 J7.7 U1.9 U1.10 U1.11 U2.2 U2.3 U2.4 U2.26 U2.27 U2.41 U2.56 U2.57 U2.58 U2.59 U2.61 U2.62 U3.4

## Polygon pours and split planes (outlines as drawn)
GND on Top Layer "Top_ground" (solid, remove dead copper, pour order 6): 0,0 4724.41,0 4724.41,2362.2 0,2362.21
GND on Bottom Layer "Bottom_ground" (solid, remove dead copper, pour order 5): 0,0 4724.41,0 4724.41,2362.2 0,2362.21
VBAT on Bottom Layer "VBAT" (solid, pour order 4): 3228.35,2125.98 3425.2,1929.13 4055.12,1929.13 4055.12,629.92 4291.34,629.92 4291.34,2283.46 669.29,2283.46 669.29,2165.35 866.14,1968.5 1496.06,1968.5 1653.54,2125.98

## Keep-outs
Keep-Out Layer:
  the board outline again, w1

## Other copper
Top Layer:
  region net 3V3_MCU: 1502.62,1499.46 1485.08,1517 1477,1517 1472,1512 1472,1495 1462.46,1462.46
  region net 3V3_SYS: 1565,565 1565,535.08 1564.96,535.04 1565,535 1730,535 1730,565
  region net 3V3_SYS: 1576.77,885.08 1742.13,885.08 1742.13,855.08 1576.77,855.08
  region net 3V3_SYS: 1146,969 1145,968 1145,831 1182,831 1182,969
  region net 3V3_SYS: 3495,587 3532,587 3532,490 3542.32,479.68 3542.32,429 3485.24,429 3485.24,480.24 3495,490
  region net 5V0_SYS: 3566,587 3603,587 3603,508 3631,480 3631,429.09 3573.82,429 3573.82,490.18 3566,498
  region net 1V8_SYS: 3401,586 3438,586 3438,496 3454,480 3453.74,429 3396.65,429 3396.65,480.65 3401,485
  region net 5V0_SYS: 3578,831 3578,933 3574,937 3574,988 3630.91,988 3631,987.91 3631,937 3615,921 3615,831
  region net 3V3_SYS: 3507,831 3507,915 3485,937 3485.24,937.24 3485.24,988 3542,988 3542,912 3544,910 3544,831
  region net 1V8_SYS: 3412,831 3412,920 3396.65,935.35 3396.65,988 3453.74,988 3453.74,937.26 3454,937 3450,933 3450,831
  region net 5V0_SYS: 4199.1,1849.32 4199.1,1912.32 4229.26,1942.48 4280.1,1942.48 4280.1,1999.57 4279.86,1999.32 4115.1,1999.32 4033.1,1917.32 4033.43,1917 4033.43,1849.32
  region net NetL1_r5v0_1: 4271.98,1799.02 4224.43,1799.02 4199.1,1773.7 4199.1,1738.35 4033.43,1738.35 4033.43,1813.02 4043.43,1823.02 4271.98,1823.02
  region net GND: 4232.1,1861.02 4286.1,1861.02 4292.1,1867.02 4292.1,1999.57 4342.65,1999.57 4343.1,2000.02 4343.1,1897.02 4324.1,1878.02 4324.1,1742.02 4343.1,1723.02 4343.1,1663.02 4292.1,1663.02 4292.1,1825.02 4281.1,1836.02 4232.1,1836.02
  region net VBAT: 4231.1,1570.87 4231.1,1786.02 4271.65,1786.02 4271.65,1729.02 4281.1,1719.57 4281.1,1570.87
  region net 3V3_SYS: 4199.1,1376.88 4199.1,1439.88 4229.26,1470.04 4280.1,1470.04 4280.1,1527.13 4279.86,1526.88 4115.1,1526.88 4033.1,1444.88 4033.43,1444.56 4033.43,1376.88
  region net NetL1_r3v3_1: 4271.98,1326.58 4224.43,1326.58 4199.1,1301.26 4199.1,1265.91 4033.43,1265.91 4033.43,1340.58 4043.43,1350.58 4271.98,1350.58
  region net GND: 4232.1,1388.58 4286.1,1388.58 4292.1,1394.58 4292.1,1527.13 4342.65,1527.13 4343.1,1527.58 4343.1,1424.58 4324.1,1405.58 4324.1,1269.58 4343.1,1250.58 4343.1,1190.58 4292.1,1190.58 4292.1,1352.58 4281.1,1363.58 4232.1,1363.58
  region net VBAT: 4231.1,1102.36 4231.1,1313.58 4271.65,1313.58 4271.65,1256.57 4281.1,1247.13 4281.1,1102.36
  region net 1V8_SYS: 4199.1,904.44 4199.1,967.44 4229.26,997.6 4280.1,997.6 4280.1,1054.68 4279.86,1054.44 4115.1,1054.44 4033.1,972.44 4033.43,972.12 4033.43,904.44
  region net GND: 4232.1,916.14 4286.1,916.14 4292.1,922.14 4292.1,1054.68 4342.65,1054.68 4343.1,1055.14 4343.1,952.14 4324.1,933.14 4324.1,797.14 4343.1,778.14 4343.1,718.14 4292.1,718.14 4292.1,880.14 4281.1,891.14 4232.1,891.14
  region net VBAT: 4231.1,629.92 4231.1,841.14 4271.65,841.14 4271.65,784.13 4281.1,774.68 4281.1,629.92
  region net NetL1_r1v8_1: 4271.98,854.14 4224.43,854.14 4199.1,828.82 4199.1,793.46 4033.43,793.46 4033.43,868.14 4043.43,878.14 4271.98,878.14
  text "SENS" at 110.24,1968.5 h60
  text "IMU" at 1988.19,1653.54 h60
  text "MCU" at 1984.25,1208.66 h60
  text "5V0" at 4370.08,511.81 h60 r90
  text "3V3" at 4468.5,511.81 h60 r90
  text "1V8" at 4566.93,511.81 h60 r90
  text "GPA-18" at 3779.53,78.74 h78.74

## Silkscreen, mask and mechanical layers (free items; w line width, h text height)
Top Solder:
  text "SENS" at 110.24,1968.5 h60
  text "IMU" at 1988.19,1653.54 h60
  text "MCU" at 1984.25,1208.66 h60
  text "We do what we must, / because we can." at 2239,1184 h78.74
  text "5V0" at 4370.08,511.81 h60 r90
  text "3V3" at 4468.5,511.81 h60 r90
  text "1V8" at 4566.93,511.81 h60 r90
  text "GPA-18" at 3779.53,78.74 h78.74